# KiCad board battery_charger_devboard_multi.kicad_pcb (continued)
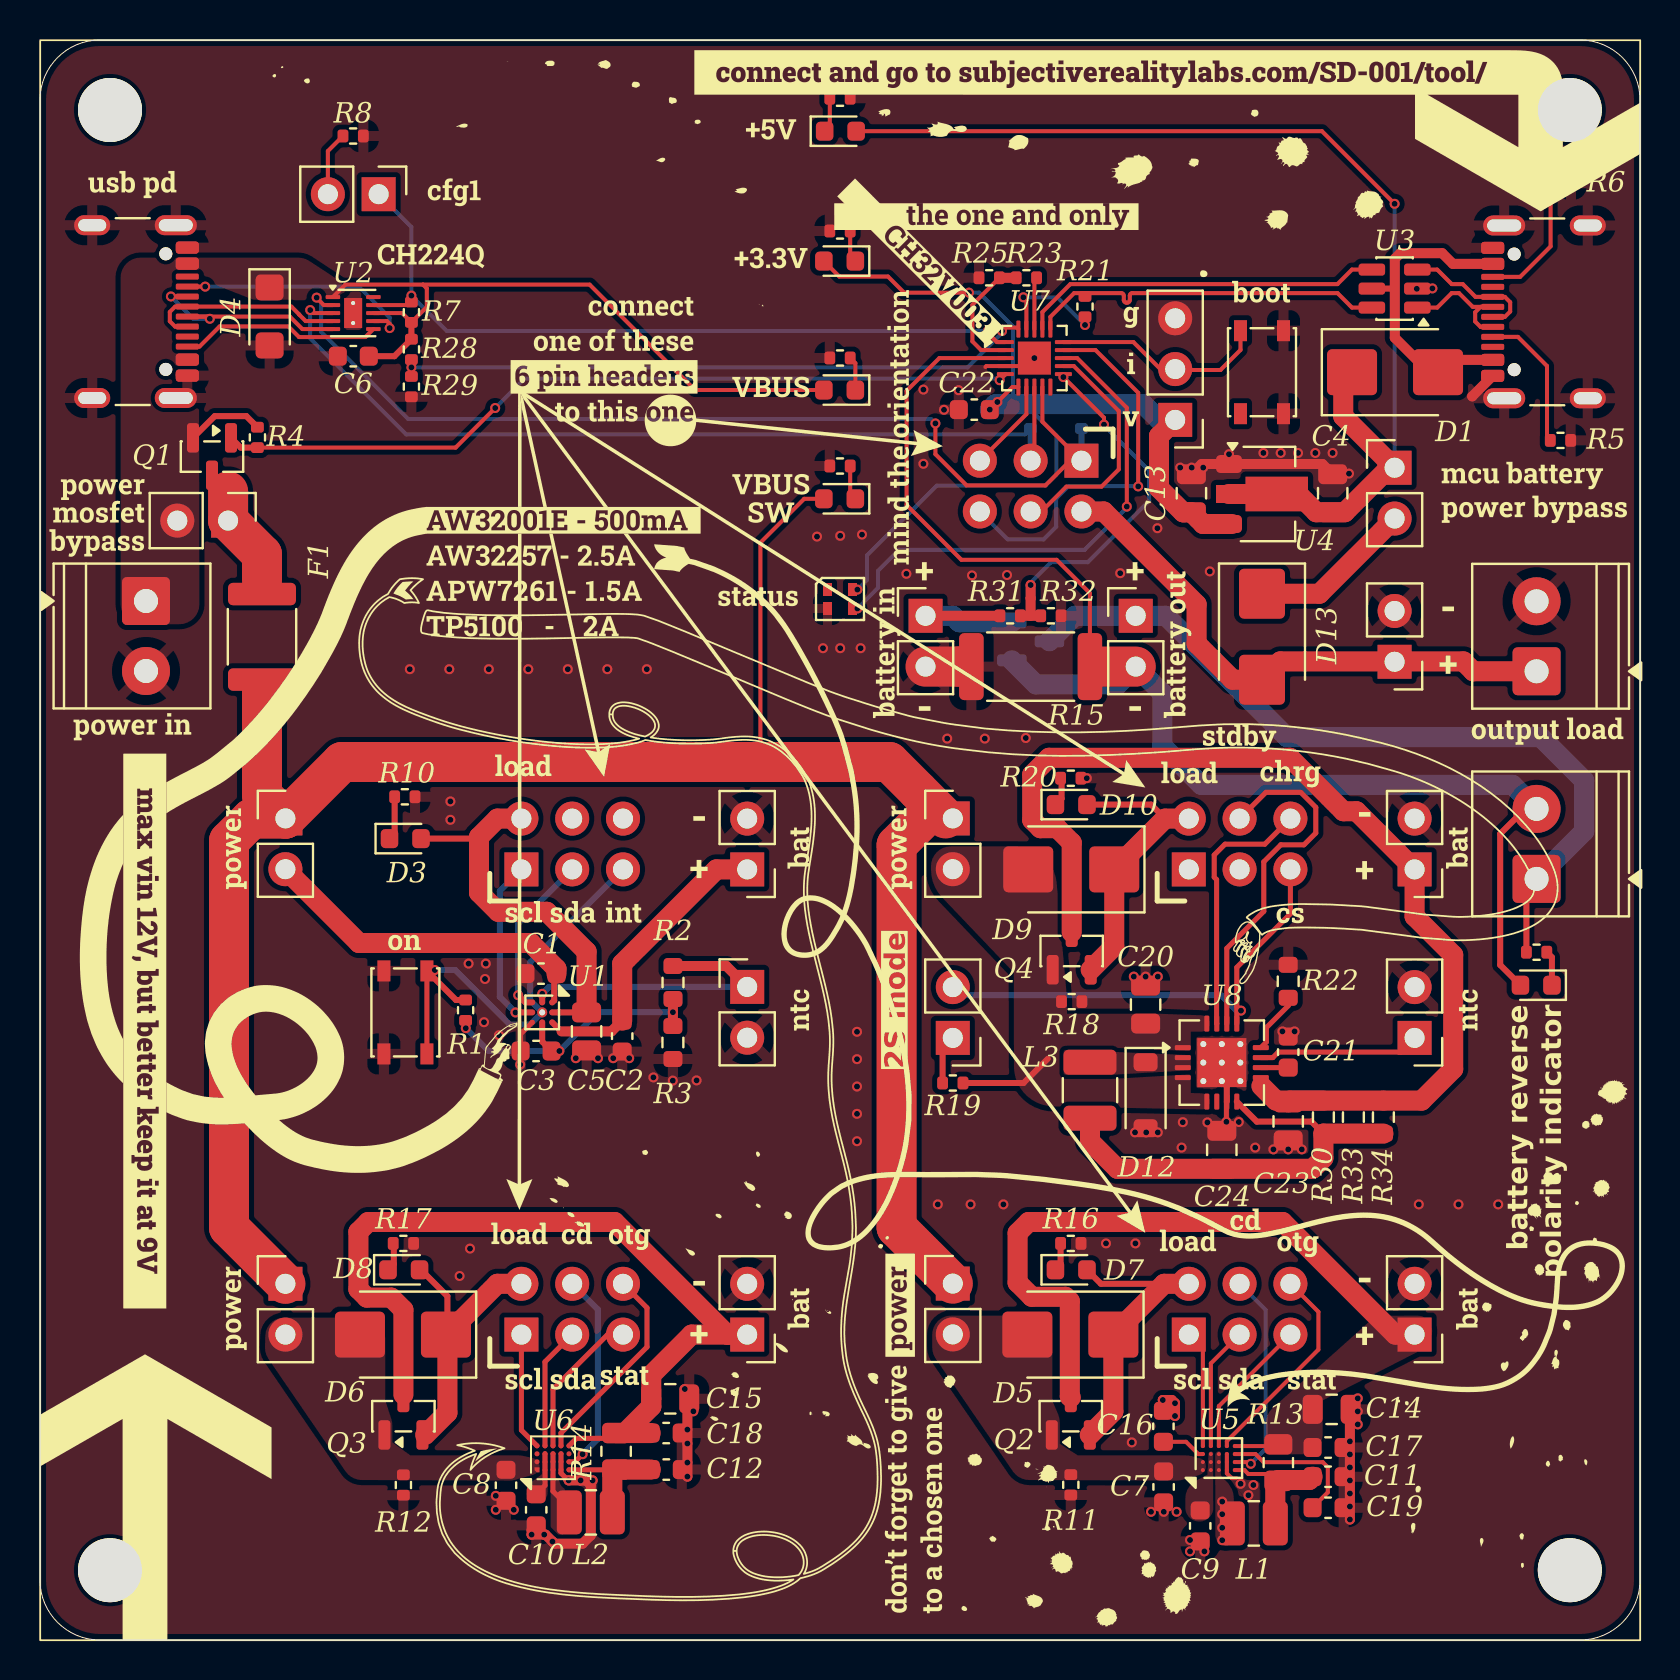
[diagram p0: board, top side]
## Footprints (pads in the part's own frame, mm; a bottom-side part is the same pattern mirrored in y, then rotated)
Anpec_WLCSP-20_1.76x2.03mm_Layout4x5_P0.4mm
  round 0.2 smd: A1(-0.6,0.8) A2(-0.2,0.8) A3(0.2,0.8) A4(0.6,0.8) B1(-0.6,0.4) B2(-0.2,0.4) B3(0.2,0.4) B4(0.6,0.4) C1(-0.6,0) C2(-0.2,0) C3(0.2,0) C4(0.6,0) D1(-0.6,-0.4) D2(-0.2,-0.4) D3(0.2,-0.4) D4(0.6,-0.4) E1(-0.6,-0.8) E2(-0.2,-0.8) E3(0.2,-0.8) E4(0.6,-0.8)
C_0603_1608Metric
  rrect 0.9x0.95 smd: 1(-0.775,0) 2(0.775,0)
C_0805_2012Metric
  rrect 1x1.45 smd: 1(-0.95,0) 2(0.95,0)
D_SMB
  rrect 2.5x2.3 smd: 1(-2.15,0) 2(2.15,0)
D_SMF
  rrect 1.3x1.4 smd: 1(-1.45,0) 2(1.45,0)
D_SOD-123
  rrect 0.9x1.2 smd: 1(-1.65,0) 2(1.65,0)
FCQFN_2×2-20L
  rrect 0.25x0.25 smd: A1(-0.6,0.8)
  round 0.25 smd: A2(-0.2,0.8) A3(0.2,0.8) A4(0.6,0.8) B1(-0.6,0.4) B2(-0.2,0.4) B3(0.2,0.4) B4(0.6,0.4) C1(-0.6,0) C2(-0.2,0) C3(0.2,0) C4(0.6,0) D1(-0.6,-0.4) D2(-0.2,-0.4) D3(0.2,-0.4) D4(0.6,-0.4) E1(-0.6,-0.8) E2(-0.2,-0.8) E3(0.2,-0.8) E4(0.6,-0.8)
Fuse_1812_4532Metric
  rrect 1.125x3.4 smd: 1(-2.138,0) 2(2.138,0)
L_1008_2520Metric
  rrect 1.25x2.2 smd: 1(-1.075,0) 2(1.075,0)
L_1210_3225Metric
  rrect 1.25x2.65 smd: 1(-1.4,0) 2(1.4,0)
LED_0603_1608Metric
  rrect 0.875x0.95 smd: 1(-0.787,0) 2(0.787,0)
LED_WS2812B-1615_1.6x1.5mm
  rect 0.45x0.65 smd: 1(-0.625,0.475) 2(-0.625,-0.475) 3(0.625,-0.475) 4(0.625,0.475)
MountingHole_3.2mm_M3
  round 3.2 hole 3.2 unplated: (0,0)
PinHeader_1x02_P2.54mm_Vertical
  rect 1.7x1.7 hole 1: 1(0,0)
  round 1.7 hole 1: 2(0,-2.54)
PinHeader_1x03_P2.54mm_Vertical
  rect 1.7x1.7 hole 1: 1(0,0)
  round 1.7 hole 1: 2(0,-2.54) 3(0,-5.08)
PinHeader_2x03_P2.54mm_Vertical
  rect 1.7x1.7 hole 1: 1(0,0)
  round 1.7 hole 1: 2(2.54,0) 3(0,-2.54) 4(2.54,-2.54) 5(0,-5.08) 6(2.54,-5.08)
QFN-16-1EP_4x4mm_P0.5mm_EP2.45x2.45mm_ThermalVias
  rrect 1.06x1.06 smd: (-0.61,0.61) (-0.61,-0.61) (0.61,0.61) (0.61,-0.61)
  rrect 0.8x0.25 smd: 1(-1.95,0.75) 2(-1.95,0.25) 3(-1.95,-0.25) 4(-1.95,-0.75) 9(1.95,-0.75) 10(1.95,-0.25) 11(1.95,0.25) 12(1.95,0.75)
  rrect 0.25x0.8 smd: 5(-0.75,-1.95) 6(-0.25,-1.95) 7(0.25,-1.95) 8(0.75,-1.95) 13(0.75,1.95) 14(0.25,1.95) 15(-0.25,1.95) 16(-0.75,1.95)
  round 0.6 hole 0.3: 17(-0.925,0.925) 17(-0.925,0) 17(-0.925,-0.925) 17(0,0.925) 17(0,0) 17(0,-0.925) 17(0.925,0.925) 17(0.925,0) 17(0.925,-0.925)
  rect 2.45x2.45 smd: 17(0,0)
  rect 2.45x2.45 smd far side: 17(0,0)
QFN-20-1EP_3x3mm_P0.4mm_EP1.65x1.65mm
  rrect 0.67x0.67 smd: (-0.41,0.41) (-0.41,-0.41) (0.41,0.41) (0.41,-0.41)
  rrect 0.85x0.2 smd: 1(-1.45,0.8) 2(-1.45,0.4) 3(-1.45,0) 4(-1.45,-0.4) 5(-1.45,-0.8) 11(1.45,-0.8) 12(1.45,-0.4) 13(1.45,0) 14(1.45,0.4) 15(1.45,0.8)
  rrect 0.2x0.85 smd: 6(-0.8,-1.45) 7(-0.4,-1.45) 8(0,-1.45) 9(0.4,-1.45) 10(0.8,-1.45) 16(0.8,1.45) 17(0.4,1.45) 18(0,1.45) 19(-0.4,1.45) 20(-0.8,1.45)
  rect 1.65x1.65 smd: 21(0,0)
R_0402_1005Metric
  rrect 0.54x0.64 smd: 1(-0.51,0) 2(0.51,0)
R_0603_1608Metric
  rrect 0.8x0.95 smd: 1(-0.825,0) 2(0.825,0)
R_0805_2012Metric
  rrect 1.025x1.4 smd: 1(-0.912,0) 2(0.912,0)
R_2512_6332Metric
  rrect 1.225x3.35 smd: 1(-2.962,0) 2(2.962,0)
SOT-23
  rrect 1.475x0.6 smd: 1(-0.938,0.95) 2(-0.938,-0.95) 3(0.938,0)
SOT-23-6
  rrect 1.325x0.6 smd: 1(-1.137,0.95) 2(-1.137,0) 3(-1.137,-0.95) 4(1.137,-0.95) 5(1.137,0) 6(1.137,0.95)
SOT-89-3
  rrect 1.3x0.9 smd: 1(-1.95,1.5) 3(-1.95,-1.5)
  custom 4.6x1.733 smd: 2(-1.863,0)
SW_SPST_PTS810
  rect 1.05x0.65 smd: 1(-2.075,1.075) 1(2.075,1.075) 2(-2.075,-1.075) 2(2.075,-1.075)
TerminalBlock_Phoenix_PT-1,5-2-3.5-H_1x02_P3.50mm_Horizontal
  rrect 2.4x2.4 hole 1.2: 1(0,0)
  round 2.4 hole 1.2: 2(3.5,0)
Texas_DSQ0010A_WSON-10-1EP_2x2mm_P0.4mm_EP0.9x1.5mm_ThermalVias
  rrect 0.84x1.4 smd: (0,0)
  rrect 0.725x0.2 smd: 1(-1.012,0.8) 2(-1.012,0.4) 3(-1.012,0) 4(-1.012,-0.4) 5(-1.012,-0.8) 6(1.012,-0.8) 7(1.012,-0.4) 8(1.012,0) 9(1.012,0.4) 10(1.012,0.8)
  round 0.5 hole 0.2: 11(0,0.5) 11(0,-0.5)
  rect 0.5x1.5 smd far side: 11(0,0)
  rect 0.9x1.5 smd: 11(0,0)
USB_C_Receptacle_GCT_USB4105-xx-A_16P_TopMnt_Horizontal
  round 0.65 hole 0.65 unplated: (-2.89,2.605) (2.89,2.605)
  rrect 0.6x1.15 smd: A1(-3.2,3.68) A4(-2.4,3.68) A9(2.4,3.68) A12(3.2,3.68) B1(3.2,3.68) B4(2.4,3.68) B9(-2.4,3.68) B12(-3.2,3.68)
  rrect 0.3x1.15 smd: A5(-1.25,3.68) A6(-0.25,3.68) A7(0.25,3.68) A8(1.25,3.68) B5(1.75,3.68) B6(0.75,3.68) B7(-0.75,3.68) B8(-1.75,3.68)
  oval 1x2.1 hole 0.6x1.7: S1(-4.32,3.105) S1(4.32,3.105)
  oval 1x1.8 hole 0.6x1.4: S1(-4.32,-1.075) S1(4.32,-1.075)
WLCSP1.68mm×1.68mm-9B
  round 0.26 smd: A1(-0.5,0.5) A2(0,0.5) A3(0.5,0.5) B1(-0.5,0) B3(0.5,0) C1(-0.5,-0.5) C2(0,-0.5) C3(0.5,-0.5)
  round 0.5 hole 0.3: B2(0,0)

## Nets
+5V: C4.2 D1.1 D2.2 JP5.1 U4.2
+9V: D16.2 F1.1 JP1.1 JP3.1 JP4.1 JP7.1
GND: C1.1 C2.1 C3.2 C4.1 C5.2 C6.2 C7.1 C8.1 C9.1 C10.1 C11.1 C12.1 C13.1 C14.1 C15.1 C17.1 C18.1 C19.1 C20.1 C21.1 C22.1 C23.1 C24.1 D4.2 D12.2 D17.2 J1.2 J2.A1 J2.A12 J2.B1 J2.B12 J2.S1 J3.A1 J3.A12 J3.B1 J3.B12 J3.S1 J4.2 J7.2 J8.2 J9.2 J10.2 J15.2 J16.3 J17.2 J18.2 J19.2 R3.1 R5.1 R6.1 R8.1 R9.2 R10.1 R11.1 R12.1 R15.2 R16.2 R17.2 R18.2 R20.2 R22.2 R25.1 R29.1 R32.1 R35.2 R36.2 R37.2 SW1.2 SW2.1 U1.C3 U2.11 U3.2 U4.1 U5.D1 U5.D2 U5.D3 U6.D1 U6.D2 U6.D3 U7.4 U7.21 U8.7 U8.17
VBAT_SENSE: R31.1 R32.2 U7.11
VBUS: C6.1 D4.1 D15.2 J3.A4 J3.A9 J3.B4 J3.B9 J18.1 JP2.2 Q1.2 R4.2 R7.2 R28.2 U2.1 U2.8
VBUS1: C8.2 D6.2 JP4.2 Q3.1 R12.2 U6.A1 U6.A2
VBUS2: C7.2 D5.2 JP3.2 Q2.1 R11.2 U5.A1 U5.A2
VBUS_SENSE: R28.1 R29.2 U7.20
VCC: C13.2 C22.2 D14.2 D17.4 J16.1 R26.2 R27.2 U4.3 U7.6
VIN: C20.2 D9.2 JP7.2 Q4.1 R18.1 R19.2 U8.1 U8.4 U8.5 U8.16
/BAT+_P: J13.1 J20.1 Q5.3 R24.2
/INT: J5.5 R1.2 SW2.2 U1.B2
BAT2+: C15.2 C18.2 J8.1 Q3.3 R14.2 U6.E4
BAT3+: C14.2 C17.2 J7.1 Q2.3 R13.2 U5.E4
BAT4+: C23.2 J17.1 Q4.3 R30.2 R33.2 R34.2 U8.9
BAT+: J10.1 Q5.2 R31.2
CFG1: J6.4 U7.12
CFG2: J6.6 U7.14
D+: J2.A6 J2.B6 U3.3 U3.4 U7.17
D-: J2.A7 J2.B7 R21.1 U3.1 U3.6 U7.16
OPA+: D11.2 J13.2 J20.2 Q5.1 R15.1 U7.3
OPA-: R23.1 R25.2 U7.2
OUT_LOAD: D13.2 J6.2 J9.1 J19.1
PD: JP8.1 R7.1 U2.9 U7.1
PMID: C9.2 C10.2 U5.B1 U5.B2 U5.B3 U6.B1 U6.B2 U6.B3
POWER_SW: Q1.1 R4.1 U7.5
RGB_LED: D17.3 U7.13
SCL: J6.1 R27.1 U2.2 U7.9
SDA: J6.3 R26.1 U2.3 U7.8
STAT: J6.5 U7.7
SWIO: J16.2 SW1.1 U7.15
Net-(C16-Pad2): C16.2 L1.2 U5.C1 U5.C2 U5.C3
Net-(D1-A): D1.2 J2.A4 J2.A9 J2.B4 J2.B9 U3.5
Net-(D2-K): D2.1 R9.1
Net-(D3-A): C5.1 D3.2 J5.2 U1.A2
Net-(D3-K): D3.1 R10.2
Net-(D5-K): D5.1 D7.2 J11.2 Q2.2
Net-(D6-K): D6.1 D8.2 J12.2 Q3.2
Net-(D7-K): D7.1 R16.1
Net-(D8-K): D8.1 R17.1
Net-(D10-A): D9.1 D10.2 J14.2 Q4.2
Net-(D10-K): D10.1 R20.1
Net-(D11-K): D11.1 R24.1
Net-(D12-K): D12.1 L3.1 U8.2 U8.3
Net-(D13-K): D13.1 JP5.2
Net-(D14-K): D14.1 R35.1
Net-(D15-K): D15.1 R36.1
Net-(D16-K): D16.1 R37.1
Net-(J1-Pin_1): J1.1 R2.2 U1.B1
Net-(J2-CC1): J2.A5 R5.2
Net-(J2-CC2): J2.B5 R6.2
Net-(J3-CC1): J3.A5 U2.7
Net-(J3-CC2): J3.B5 U2.6
Net-(J4-Pin_1): C2.2 J4.1 U1.A3
Net-(J5-Pin_1): J5.1 U1.C2
Net-(J5-Pin_3): J5.3 U1.C1
Net-(J11-Pin_1): J11.1 U5.A4
Net-(J11-Pin_3): J11.3 U5.B4
Net-(J11-Pin_4): J11.4 U5.E2
Net-(J11-Pin_5): J11.5 U5.C4
Net-(J11-Pin_6): J11.6 U5.D4
Net-(J12-Pin_1): J12.1 U6.A4
Net-(J12-Pin_3): J12.3 U6.B4
Net-(J12-Pin_4): J12.4 U6.E2
Net-(J12-Pin_5): J12.5 U6.C4
Net-(J12-Pin_6): J12.6 U6.D4
Net-(J14-Pin_4): J14.4 U8.14
Net-(J14-Pin_5): J14.5 JP6.2 U8.13
Net-(J14-Pin_6): J14.6 U8.15
Net-(J15-Pin_1): J15.1 U8.11
Net-(JP1-B): C1.2 JP1.2 U1.A1
Net-(JP2-A): F1.2 JP2.1 Q1.3
Net-(JP6-A): JP6.1 R19.1
Net-(JP8-B): JP8.2 R8.2
Net-(L2-Pad2): L2.2 U6.C1 U6.C2 U6.C3
Net-(U1-VDD): C3.1 R1.1 R2.1 R3.2 U1.B3
Net-(U2-DM): J3.A7 J3.B7 U2.5
Net-(U2-DP): J3.A6 J3.B6 U2.4
Net-(U5-BOOT): C16.1 U5.A3
Net-(U5-CSIN): C11.2 L1.1 R13.1 U5.E1
Net-(U5-REGN): C19.2 U5.E3
Net-(U6-CSIN): C12.2 L2.1 R14.1 U6.E1
Net-(U7-PD4/A7/UCK/T2CH1ETR/OPO/T1CH4ETR): R23.2 U7.18
Net-(U7-PD5/A5/UTX/T2CH4/URX): R21.2 U7.19
Net-(U8-RTRICK): R22.1 U8.12
Net-(U8-VREG): C21.2 U8.10
Net-(U8-VS): C24.2 L3.2 R30.1 R33.1 R34.1 U8.8

Pads without a net: D17 1; J2 A8 B8; J3 A8 B8; J5 4 6; J14 1 3; U2 10; U6 A3 E3; U7 10; U8 6

## Via types
v1: diameter 0.5, hole 0.3, Top to Bottom, 166 vias

## Routing (per net, layer and track width the routed paths; a pad name or vN(x,y) marks a point on that pad's centre or on a via; arc(x,y) is an arc through that point)
+5V: length 57.6
  Top w0.2: v1(67.73,71.81) 64.1,75.44 D2.2
  Top w1: 65.1,63.58 65.16,63.52 65.16,61.18 JP5.1 ; JP5.1 67.41,58.61 ; JP5.1 67.46,58.61 65.24,56.39 63.81,56.39 62.9,57.3 59.44,57.3
  Bottom w0.2: v1(67.73,71.81) JP5.1
+9V: length 108.6
  Top w0.2: D16.2 38.21,57.06 36.02,54.87 36.02,44.16
  Top w2: 44.17,41.08 42.83,39.74 42.83,20.63 JP3.1 ; 12.27,41.07 15.1,43.9 42.46,43.9 45.28,41.08 ; 12.27,41.07 10.57,41.07 9.45,39.95 9.45,20.63 JP4.1 ; 12.27,41.07 11.1,42.24 11.1,47.44
GND: length 38
  Top w0.2: 59.81,8.1 59.58,8.1 59.34,8.33 U5.D3 ; 47.27,63.65 47.32,63.7 U7.4 49.32,63.7 v1(49.72,64.1)
  Top w0.25: v1(26.43,7.98) 26.41,7.98 26.05,8.34 U6.D3 ; C3.2 24.03,30.3 U1.C3 ; 59.32,26.14 59.32,26.9 U8.7
  Top w0.3: U8.7 59.34,27.69 U8.17
  Top w0.5: C10.1 24.58,5.5 v1(24.58,5.27) v1(25.21,5.27) 25.28,5.27 v1(25.62,4.92) 25.73,4.82 27.13,4.82 27.54,5.23 27.54,7.75 27.31,7.98 v1(27.03,7.98) ; v1(65.49,6.02) 65.49,11.69 ; C13.1 58.08,58.8 U4.1 64.12,58.8 C4.1 ; J2.A1 71.61,62.18 71.61,62.18 ; v1(27.03,7.98) v1(26.43,7.98) ; v1(27.03,7.98) v1(27.63,7.98) ; v1(32.37,8.17) 32.37,12.42
  Top w2: 45.94,48.68 45.93,48.67 J10.2
  vias: v1(18.49,48.54) v1(20.47,48.54) v1(20.52,41.93) v1(20.52,41.01) v1(20.98,18.2) v1(21.43,33.82) v1(21.5,19.57) v1(22.25,33.05) v1(22.2,30.89) v1(22.29,33.82) v1(22.44,48.54) v1(22.79,7.21) v1(22.79,6.51) v1(22.95,30.24) v1(23.69,6.51) v1(24.01,28.77) v1(24.42,48.54) v1(26.39,48.54) v1(26.79,29.09) v1(27.9,29.09) v1(28.37,48.54) v1(28.66,29.09) v1(29.46,29.09) v1(30.34,48.54) v1(30.67,28.13) v1(31.64,27.97) v1(32.24,12.55) v1(32.37,10.52) v1(32.37,9.82) v1(32.37,8.87) v1(32.67,11.43) v1(32.83,27.98) v1(38.85,55.17) v1(39.15,49.59) v1(40.01,55.21) v1(40.01,49.59) v1(40.85,30.41) v1(40.85,29.04) v1(40.85,27.68) v1(40.85,26.31) v1(40.85,24.94) v1(41.03,49.59) v1(41.1,55.27) v1(43.32,53.31) v1(44.17,62.52) v1(44.17,59.64) v1(44.17,58.81) v1(44.89,21.78) v1(45.2,61.51) v1(45.36,45.07) v1(45.93,62.49) v1(46.53,21.78) v1(46.6,53.23) v1(47.24,45.07) v1(48.17,21.78) v1(48.35,53.25) v1(49.29,45.1) v1(52.34,43.09) v1(53.3,19.83) v1(54.01,53.34) v1(54.59,9.88) v1(54.69,33.17) v1(54.75,25.38) v1(54.77,19.83) v1(55.28,33.17) v1(55.31,25.38) v1(55.55,6.41) v1(55.87,55.59) v1(55.89,33.17) v1(55.89,25.38) v1(56.19,6.41) v1(56.83,6.41) v1(57.01,58.62) v1(57.08,24.62) v1(57.14,25.89) v1(57.5,5) v1(57.5,4.43) v1(57.59,58.62) v1(58.16,58.62) v1(58.22,4.43) v1(58.37,25.88) v1(58.49,53.43) v1(59.32,25.91) v1(59.45,59.29) v1(59.94,25.9) v1(60.03,7.81) v1(60.42,7.24) v1(60.67,7.75) v1(60.76,24.62) v1(61.17,59.35) v1(61.67,24.53) v1(62.04,59.35) v1(62.12,30.43) v1(62.41,24.53) v1(62.73,30.43) v1(62.9,59.35) v1(63.09,24.53) v1(63.77,59.35) v1(64.63,59.35) v1(65.45,58.32) v1(65.49,9.93) v1(65.49,9.28) v1(65.49,8.63) v1(65.49,7.98) v1(65.49,7.33) v1(65.49,6.68) v1(65.89,12.08) v1(65.89,11.43) v1(65.89,10.78) v1(68.84,67.56) v1(68.94,21.78) v1(69.62,67.58) v1(70.93,21.78) v1(72.91,21.78)
VBAT_SENSE: length 18.4
  Top w0.2: v1(53.2,60.77) 53.2,61.12 v1(51.17,63.15)
  Top w0.5: 49.53,51.21 R32.2 ; 49.53,51.21 49.53,52.09 49.53,52.09 v1(49.53,52.75) ; 49.53,51.21 R31.1
  Bottom w0.2: v1(49.53,52.75) 49.53,52.87 50.56,53.89 52.39,53.89 55.46,56.96 55.46,58.47 53.2,60.73 v1(53.2,60.77) ; v1(51.17,63.15) 51,63.15
VBUS: length 38.9
  Top w0.2: 14.65,67.15 15.27,67.77 19.15,67.77 ; 19.15,67.77 19.34,67.58 19.34,66.65 R7.2 18.1,66.35 U2.8 ; 19.15,67.77 27.48,67.77 32.75,62.5 D15.2
  Top w0.3: 7.65,60.44 Q1.2 8.74,61.2 10.32,61.2 R4.2 ; R7.2 R28.2 17.72,64.19 C6.1
VBUS_SENSE: length 32.1
  Top w0.2: U7.20 48.85,65.62 48.27,65.62 v1(48.1,65.45)
  Top w0.3: R29.2 v1(18.57,63.63) R28.1
  Bottom w0.2: v1(48.1,65.45) 48.1,65.35 46.38,63.63 v1(18.57,63.63)
VCC: length 50.5
  Top w0.2: U7.6 48.62,62.65 v1(47.87,61.9) v1(47.49,61.52) ; D14.2 39.97,68.17 42.4,68.17 43.21,67.37 v1(46.45,67.37)
  Top w1: J16.1 55.95,60.2 55.95,57.59 57.15,56.39 C13.2 58.16,55.8 59.59,55.8
  Bottom w0.2: 48.62,61.79 48.65,61.82 48.65,65.67 46.96,67.37 v1(46.45,67.37) ; 49.52,61.52 50.82,60.22 50.82,58.27 50.27,57.72 44.84,57.72 41.35,54.23 41.35,53 v1(40.87,52.52)
  Bottom w1: v1(47.49,61.52) 47.76,61.79 55.17,61.79 55.95,61.01
VIN: length 4.8
  Top w0.3: R19.2 49.18,27.85 50.39,29.06
  Top w1: 45.65,38.53 JP7.2
/BAT+_P: length 40.5
  Top w0.3: J20.1 74.32,37.55 R24.2
  Bottom w1: Q5.3 51.74,51.21 J13.1 56.28,51.21 62.35,45.14 75.04,45.14 77.21,42.97 77.21,40.44 J20.1
/INT: length 22.8
  Top w0.25: SW2.2 SW2.2
  Top w0.3: SW2.2 20.8,32 R1.2
  Bottom w0.3: v1(19.74,33.5) 20.76,33.5 23.48,30.78 24.02,30.78 24.03,30.78 24.51,30.78 U1.B2 24.51,31.98 24.51,33.89 J5.5
BAT2+: length 44.5
  Top w0.25: U6.E4 26.82,10.08 28.76,10.08
  Top w1: 34.36,15.27 34.36,15.3 ; 34.36,15.27 J8.1 ; 34.36,15.27 32.58,15.27 30.56,13.25 C15.2 30.56,11.67 29.24,10.35 R14.2 C18.2 ; 34.36,15.27 28.73,20.9 16.41,20.9 15.92,20.41 15.92,17.54 16.34,17.12 17.56,17.12 18.17,16.51 18.17,12.27
BAT3+: length 34.8
  Top w0.2: 61.77,9.53 61.6,9.7 U5.E4
  Top w1: Q2.3 51.49,12.18 51.49,16.94 51.27,17.16 49.59,17.16 48.88,17.87 48.88,20.35 49.43,20.9 62.13,20.9 67.76,15.27 J7.1
BAT4+: length 54.1
  Top w1: 61.07,27.7 61.8,26.97 R30.2 ; C23.2 62.5,26.97 R34.2 69.08,26.97 70.66,28.55 70.66,34.25 68.73,36.18 J17.1 65.82,41.44 65.17,41.44 62.5,44.11 50.45,44.11 49.61,43.27 49.61,41 50.02,40.59 50.86,40.59 51.59,39.87 Q4.3
BAT+: length 8.2
  Top w0.5: J10.1 R31.2
  Bottom w1: Q5.2 45.97,50.89 45.64,51.21 J10.1
CFG1: length 11.9
  Top w0.2: J6.4 50.08,56.42 51.32,57.67 53.08,57.67 53.94,58.53 53.94,61.45 51.69,63.7 U7.12
CFG2: length 19.7
  Top w0.2: U7.14 52.77,64.5 54.91,62.36 v1(54.91,57.68)
  Bottom w0.2: v1(54.91,57.68) 54.78,57.68 54.77,57.69 51.43,57.69 50.81,57.07 50.81,55.66 50.18,55.03 48.39,55.03 J6.6
D+: length 26.1
  Top w0.2: 72.18,66.13 72.21,66.16 J2.A6 73.24,66.16 73.51,66.42 73.51,66.89 73.24,67.16 J2.B6 ; 73.01,67.16 71.78,67.16 71.14,67.8 70.59,67.8 69.86,68.52 U3.3 69.19,68.52 ; U3.4 65.6,68.52 64.87,67.8 51.52,67.8 50.12,66.4 U7.17
D-: length 25.9
  Top w0.2: 73.06,66.66 71.64,66.66 70.95,67.34 70.59,67.34 69.86,66.62 U3.1 ; U3.6 65.6,66.62 64.87,67.34 54.61,67.34 arc(54.52,67.31) 54.49,67.23 54.49,66.99 arc(54.45,66.9) 54.37,66.87 54.31,66.87 arc(54.22,66.9) 54.19,66.99 54.19,67.23 arc(54.15,67.31) 54.07,67.34 51.71,67.34 50.52,66.16 U7.16 ; 72.18,65.68 72.21,65.66 J2.B7 72.03,65.66 71.76,65.92 71.76,66.39 72.03,66.66 J2.A7
OPA+: length 69.9
  Top w0.2: U7.3 44.97,64.1 43.33,62.46 43.33,56.75 46.07,54.01 50.83,54.01 52.49,52.35 R15.1 52.15,48.67
  Top w0.3: J20.2 74.26,41.56 73.01,40.31 73.01,33.75 D11.2
  Top w2: 53.13,48.67 J13.2
  Bottom w1: J20.2 73.63,42.75 58.07,42.75 56.12,44.7 56.12,47.34 J13.2 53.9,47.78 49.8,47.78 Q5.1
OPA-: length 6.4
  Top w0.2: U7.2 47.05,64.5 46.62,64.93 46.62,66.76 R25.2
  Top w0.5: R25.2 R23.1
OUT_LOAD: length 27.4
  Top w1: D13.2 62.02,48.93 71.17,48.93 71.66,48.44 J19.1 ; 60.48,48.01 59.64,48.01 57.83,49.82 57.83,51.78 53.19,56.42 J6.2
PD: length 38.4
  Top w0.2: R7.1 18.42,66.75 U2.9 ; U7.1 47.84,64.9 47.4,65.34 v1(47.4,65.45)
  Bottom w0.2: JP8.1 18.57,70.65 v1(18.57,67.22) 20.34,65.45 v1(47.4,65.45)
PMID: length 2.2
  Top w0.25: C10.2 25.25,7.72 U6.B3
POWER_SW: length 40.5
  Top w0.2: v1(47.98,62.99) 48.27,63.28 U7.5 ; v1(22.76,61.6) 20.78,59.62 R4.1
  Top w0.3: R4.1 10.04,59.62 Q1.1
  Bottom w0.2: v1(47.98,62.99) 47.9,63.07 24.23,63.07 v1(22.76,61.6)
RGB_LED: length 25.3
  Top w0.2: v1(54.34,56.67) 54.34,61.61 51.86,64.1 U7.13
  Bottom w0.2: v1(40.87,51.58) 41.9,52.61 41.9,53.46 42.95,54.51 52.23,54.51 54.32,56.6 54.32,56.65 v1(54.34,56.67)
SCL: length 51.5
  Top w0.2: U7.9 50.12,60.92 J6.1 51.51,58.97 50.27,57.73 46.33,57.73 44.77,59.29 v1(44.77,60.83) ; v1(13.83,67.12) 13.83,67.1 14.19,66.75 14.65,66.75
  Bottom w0.2: v1(13.83,67.12) 14.06,66.89 14.06,65.4 18.41,61.05 44.55,61.05 v1(44.77,60.83)
  Bottom w0.3: J6.1 R27.1
SDA: length 46.1
  Top w0.2: 14.65,66.35 13.66,66.35 v1(13.51,66.5) ; J6.3 49.72,59.15 U7.8
  Bottom w0.2: v1(13.51,66.5) 13.51,65.08 18.31,60.28 49.24,60.28 R26.1
  Bottom w0.3: J6.3 R26.1
STAT: length 4.6
  Top w0.2: U7.7 49.32,61.29 J6.5
SWIO: length 10.8
  Top w0.2: SW1.1 60.03,64.5 59.03,63.5 56.06,63.5 54.67,64.9 U7.15
Net-(C16-Pad2): length 1.3
  Top w0.5: v1(56.75,11.2) v1(56.75,11.84) 56.59,12 v1(56.14,12)
  vias: v1(59.11,6.92) v1(59.11,6.29) v1(59.11,5.61) v1(59.11,4.99)
Net-(D1-A): length 16.6
  Top w0.3: 67.73,67.57 66.15,67.57
  Top w0.5: J2.A4 70.08,64.01 69.46,63.39 67.74,65.11 67.74,69.06 68.02,69.34 70.11,69.34 70.64,68.81 J2.A9
Net-(D2-K): length 1.8
  Top w0.2: R9.1 39.49,75.7 D2.1
Net-(D3-A): length 19.4
  Top w0.3: D3.2 21.87,40.07 21.95,40.15 ; U1.A2 27.11,31.38
  Top w1: C5.1 27.33,34.42 25.34,36.41 22.91,36.41 21.95,37.37 21.95,40.15 22.87,41.07 J5.2
Net-(D3-K): length 2.2
  Top w0.3: R10.2 17.73,40.33 D3.1
Net-(D5-K): length 15.7
  Top w0.3: D7.2 53.05,17.81 J11.2
  Top w1: J11.2 56.21,17.81 D5.1 53.67,11.43 Q2.2
Net-(D6-K): length 14.2
  Top w0.3: 19.05,18.51 20.37,17.19 20.37,15.27
  Top w1: 19.26,10.25 20.37,11.36 20.37,15.31 22.87,17.81 J12.2 23.96,17.7
Net-(D7-K): length 1.4
  Top w0.3: R16.1 51.03,18.77 D7.1
Net-(D8-K): length 1.4
  Top w0.3: 17.66,19.82 17.69,19.79 17.69,18.8 D8.1
Net-(D10-A): length 14.5
  Top w0.3: 56.25,41.07 55.55,41.77 D10.2
  Top w1: J14.2 56.25,41.07 D9.1 53.71,34.69 Q4.2
Net-(D10-K): length 1.4
  Top w0.3: D10.1 51.08,42.08 51.08,43.09
Net-(D11-K): length 1.8
  Top w0.3: D11.1 75.6,34.13 R24.1
Net-(D13-K): length 8.2
  Top w1: JP5.2 63.97,52.31 D13.1
Net-(D14-K): length 1.6
  Top w0.2: D14.1 40.51,69.2 R35.1
Net-(D15-K): length 1.7
  Top w0.2: D15.1 40.77,63.84 R36.1
Net-(D16-K): length 1.7
  Top w0.2: D16.1 40.51,57.32 R37.1
Net-(J1-Pin_1): length 15
  Top w0.3: U1.B1 v1(25.11,32.31)
  Top w0.5: J1.1 34.32,33.7 R2.2
  Bottom w0.3: J1.1 25.46,32.66 v1(25.11,32.31)
Net-(J2-CC1): length 7
  Top w0.2: 75.35,59.98 75.35,63.7 73.89,65.16 J2.A5
Net-(J2-CC2): length 6.7
  Top w0.2: J2.B5 74.01,68.16 75.53,69.68 R6.2
Net-(J3-CC1): length 12.4
  Top w0.2: v1(17.48,65.6) 17.48,65.81 17.34,65.95 U2.7 ; v1(8.26,67.67) J3.A5
  Bottom w0.2: v1(8.26,67.67) 15.94,67.67 17.48,66.12 v1(17.48,65.6)
Net-(J3-CC2): length 10.1
  Top w0.2: J3.B5 7.97,64.67 8.98,65.68 12.42,65.68 12.95,65.15 16.27,65.15 U2.6
Net-(J4-Pin_1): length 15
  Top w0.3: U1.A3 26.07,30.42
  Top w0.5: 26.08,30.43 28.57,30.43 C2.2
  Top w1: C2.2 29.11,33.82 33.82,38.53 J4.1
Net-(J5-Pin_1): length 8.8
  Top w0.3: v1(23.77,31.38) 23.78,31.38 U1.C2
  Bottom w0.3: v1(23.77,31.38) 22.99,32.16 22.99,37.45 J5.1
Net-(J5-Pin_3): length 8.3
  Top w0.3: v1(23.91,32.24) 24.27,31.88 U1.C1
  Bottom w0.3: J5.3 23.91,35.83 v1(23.91,32.24)
Net-(J11-Pin_1): length 5.9
  Top w0.2: U5.A4 58.14,14.57 J11.1
Net-(J11-Pin_3): length 6.2
  Top w0.2: U5.B4 58.54,13.83 J11.3
Net-(J11-Pin_4): length 10.7
  Top w0.2: U5.E2 60.45,8.9 v1(60.54,8.81)
  Bottom w0.2: v1(60.54,8.81) 61.28,9.55 61.28,16.51 J11.4
Net-(J11-Pin_5): length 7.1
  Top w0.2: U5.C4 58.94,11.69 J11.5
Net-(J11-Pin_6): length 10.6
  Top w0.2: J11.6 63.92,16.41 63.92,14.52 59.34,9.94 U5.D4
Net-(J12-Pin_1): length 5.9
  Top w0.25: J12.1 24.07,10.49 U6.A4
Net-(J12-Pin_3): length 6.1
  Top w0.25: J12.3 25.25,13.91 U6.B4
Net-(J12-Pin_4): length 10.2
  Top w0.25: U6.E2 26.75,8.91 v1(27.13,9.29)
  Bottom w0.3: v1(27.13,9.29) 27.89,10.05 27.89,16.53 J12.4
Net-(J12-Pin_5): length 7.5
  Top w0.25: J12.5 28.38,15.27 25.65,12.54 U6.C4
Net-(J12-Pin_6): length 10.4
  Top w0.25: J12.6 30.35,16.61 30.35,14.65 26.05,10.35 U6.D4
Net-(J14-Pin_4): length 18
  Top w0.25: J14.4 61.29,42.38 63.04,42.38 63.79,41.63 63.79,40.35 63.2,39.76 62.04,39.76 61.19,38.91 61.19,36.43 59.34,34.58 U8.14
Net-(J14-Pin_5): length 24
  Top w0.25: v1(60.05,31.47) 59.85,31.67 ; J14.5 62.52,36.31 59.84,33.63 59.84,31.68 ; 59.84,31.66 U8.13
  Bottom w0.3: v1(60.05,31.47) 59.82,31.47 59.05,32.24 46.05,32.24 45.64,32.65
Net-(J14-Pin_6): length 13
  Top w0.25: J14.6 61.24,39.79 59.25,39.79 58.71,39.25 58.71,38.14 58.83,38.02 58.83,30.83 U8.15
Net-(J15-Pin_1): length 8.1
  Top w0.25: J15.1 68.02,29.4 61.92,29.4 61.64,29.12 U8.11
Net-(JP1-B): length 17.4
  Top w0.3: C1.2 25.71,33.21 25.71,31.98 U1.A1
  Top w1: 12.27,38.53 15.95,34.85 24.53,34.85 25.83,33.56 C1.2
Net-(JP2-A): length 5.1
  Top w2: 11.1,53 11.1,54.28 JP2.1 9.41,57.43
Net-(JP6-A): length 2.5
  Top w0.3: R19.1 45.13,29.59 JP6.1
Net-(JP8-B): length 3.2
  Top w0.2: JP8.2 14.39,74.45 R8.2
Net-(L2-Pad2): length 3
  Top w0.25: U6.C3 25.65,7.44 26.47,6.62
Net-(U1-VDD): length 14.6
  Top w0.3: C3.1 25.11,29.92 U1.B3
  Top w0.5: R2.1 31.65,32.05 v1(31.65,31.39) R3.2
  Bottom w0.3: v1(21.29,30.59) 22.43,29.45 v1(25.97,29.45) 27.91,31.39 v1(31.65,31.39)
Net-(U2-DM): length 11.9
  Top w0.2: v1(8.49,66.06) 8.38,66.17 J3.A7 12.49,66.17 13.12,65.55 14.65,65.55 ; v1(6.55,67.18) 7.36,67.18 J3.B7
  Bottom w0.2: v1(8.49,66.06) 7.66,66.06 v1(6.55,67.18)
Net-(U2-DP): length 10
  Top w0.2: 14.65,65.95 13.28,65.95 12.96,66.27 12.96,66.28 12.57,66.67 J3.A6 6.76,66.67 6.49,66.4 6.49,65.94 6.76,65.67 J3.B6
Net-(U5-BOOT): length 2.2
  Top w0.2: U5.A3 57.91,9.3 57.3,9.91 C16.1
Net-(U5-CSIN): length 5.5
  Top w0.2: U5.E1 60.22,8.5 60.41,8.3 61.35,8.3
  Top w1: C11.2 63.47,8 61.89,8 ; L1.1 61.77,7.88
Net-(U5-REGN): length 7.3
  Top w0.2: U5.E3 60.77,9.3 61.18,8.89 64.14,8.89 64.39,8.64 64.39,7.38 63.63,6.62 C19.2
Net-(U6-CSIN): length 6
  Top w0.25: 28.68,8.51 U6.E1
  Top w1: 28.65,8.52 C12.2 ; L2.1 28.62,8.28
Net-(U7-PD4/A7/UCK/T2CH1ETR/OPO/T1CH4ETR): length 2.6
  Top w0.2: U7.18 49.72,68 R23.2
Net-(U7-PD5/A5/UTX/T2CH4/URX): length 5.3
  Top w0.2: v1(49.17,67.14) 49.32,66.98 U7.19
  Bottom w0.2: v1(52.25,65.75) 50.87,67.14 v1(49.17,67.14)
Net-(U8-RTRICK): length 3.1
  Top w0.25: R22.1 62.41,31.71 61.32,30.62 61.32,29.9 U8.12
Net-(U8-VREG): length 1.4
  Top w0.25: U8.10 C21.2
Net-(U8-VS): length 22.8
  Top w0.3: R30.1 63.57,25.92 60.84,25.92 U8.8
  Top w1: L3.2 52.5,24.93 53.87,23.56 63.63,23.56 64.17,24.1 R30.1 R34.1

## Copper pours and planes (outline as drawn; the poured copper is in the pictures)
GND on Top: 60.35,6.98 59.25,8.25 59.54,8.29 60.98,7.85 61,4.76 60.35,4.76
GND on Top, Bottom: 80.01,79.99 79.99,0.01 0.01,0.01 0.01,79.99
VBUS on Top: 7.94,69.12 7.97,50.79 4.03,50.79 4.03,69.12
VBUS on Top: 13.21,69.12 15.27,67.77 15.27,66.99 10.73,66.99 6.79,68.53 6.79,69.12
VBUS1 on Top: 17.26,16.12 17.26,11.99 17.62,10.89 17.62,9.88 18.52,9.23 24.05,9.23 24.98,9.02 24.98,8.35 23.62,7.97 15.57,8 11.24,14.32 11.29,16.12
VBUS2 on Top: 50.62,16.22 50.62,11.96 50.99,11.09 50.99,9.81 51.89,9.23 57.42,9.23 58.3,9.02 58.3,8.35 56.99,7.97 48.94,8 44.61,14.32 44.61,16.22
VIN on Top: 57.54,27.35 58.49,27.32 58.49,26.52 48.7,26.72 48.69,33.37 44.55,37.71 44.55,39.68 50.67,39.68 51.35,32.09 51.35,31.31 56,31.31 58.49,31.22 58.49,30.42 57.54,30.42
BAT3+ on Top: 69.6,16.22 69.61,14.78 64.13,11.98 64.14,9.29 61.3,9.28 61.29,11.29 66.79,16.21
PMID on Top: 25.38,9.43 25.38,6.85 24.33,6.85 24.33,7.72 25.07,8.27 25.13,9.43
PMID on Top: 58.68,9.43 58.67,5.92 57.26,5.92 57.27,7.68 58.37,8.27 58.43,9.43
Net-(C16-Pad2) on Top: 59.14,9.44 59.14,8.25 59.67,7.44 59.81,4.7 58.77,4.71 58.76,9.44
Net-(C16-Pad2) on Bottom: 57.03,12.19 59.64,7.15 59.64,4.59 58.63,4.59 55.63,10.99 55.63,12.19
Net-(D12-K) on Top: 57.54,29.24 57.54,28.49 53.59,28.26 51.18,28.26 51.18,29.51
Net-(L2-Pad2) on Top: 25.78,9.43 25.78,8.26 26.24,7.58 26.23,5.17 25.53,5.17 25.53,9.43

## Text on the board
F.Silkscreen: battery reverse / polarity indicator | 2S mode
